# Altium PCB MB V7.PcbDoc (part 2 of 3)
Units mm, origin at the board's own origin, x right, y up, seen from the top; angles counter-clockwise.
Board outline 165.04 x 191.67 mm, 4 copper layers (Top Layer, MID TOP, MID BOTTOM, Bottom Layer), stack 0.603 mm thick; 236 components, 223 nets, 910 pads, 243 vias.
Unrouted connection lines stored in the file: 157.
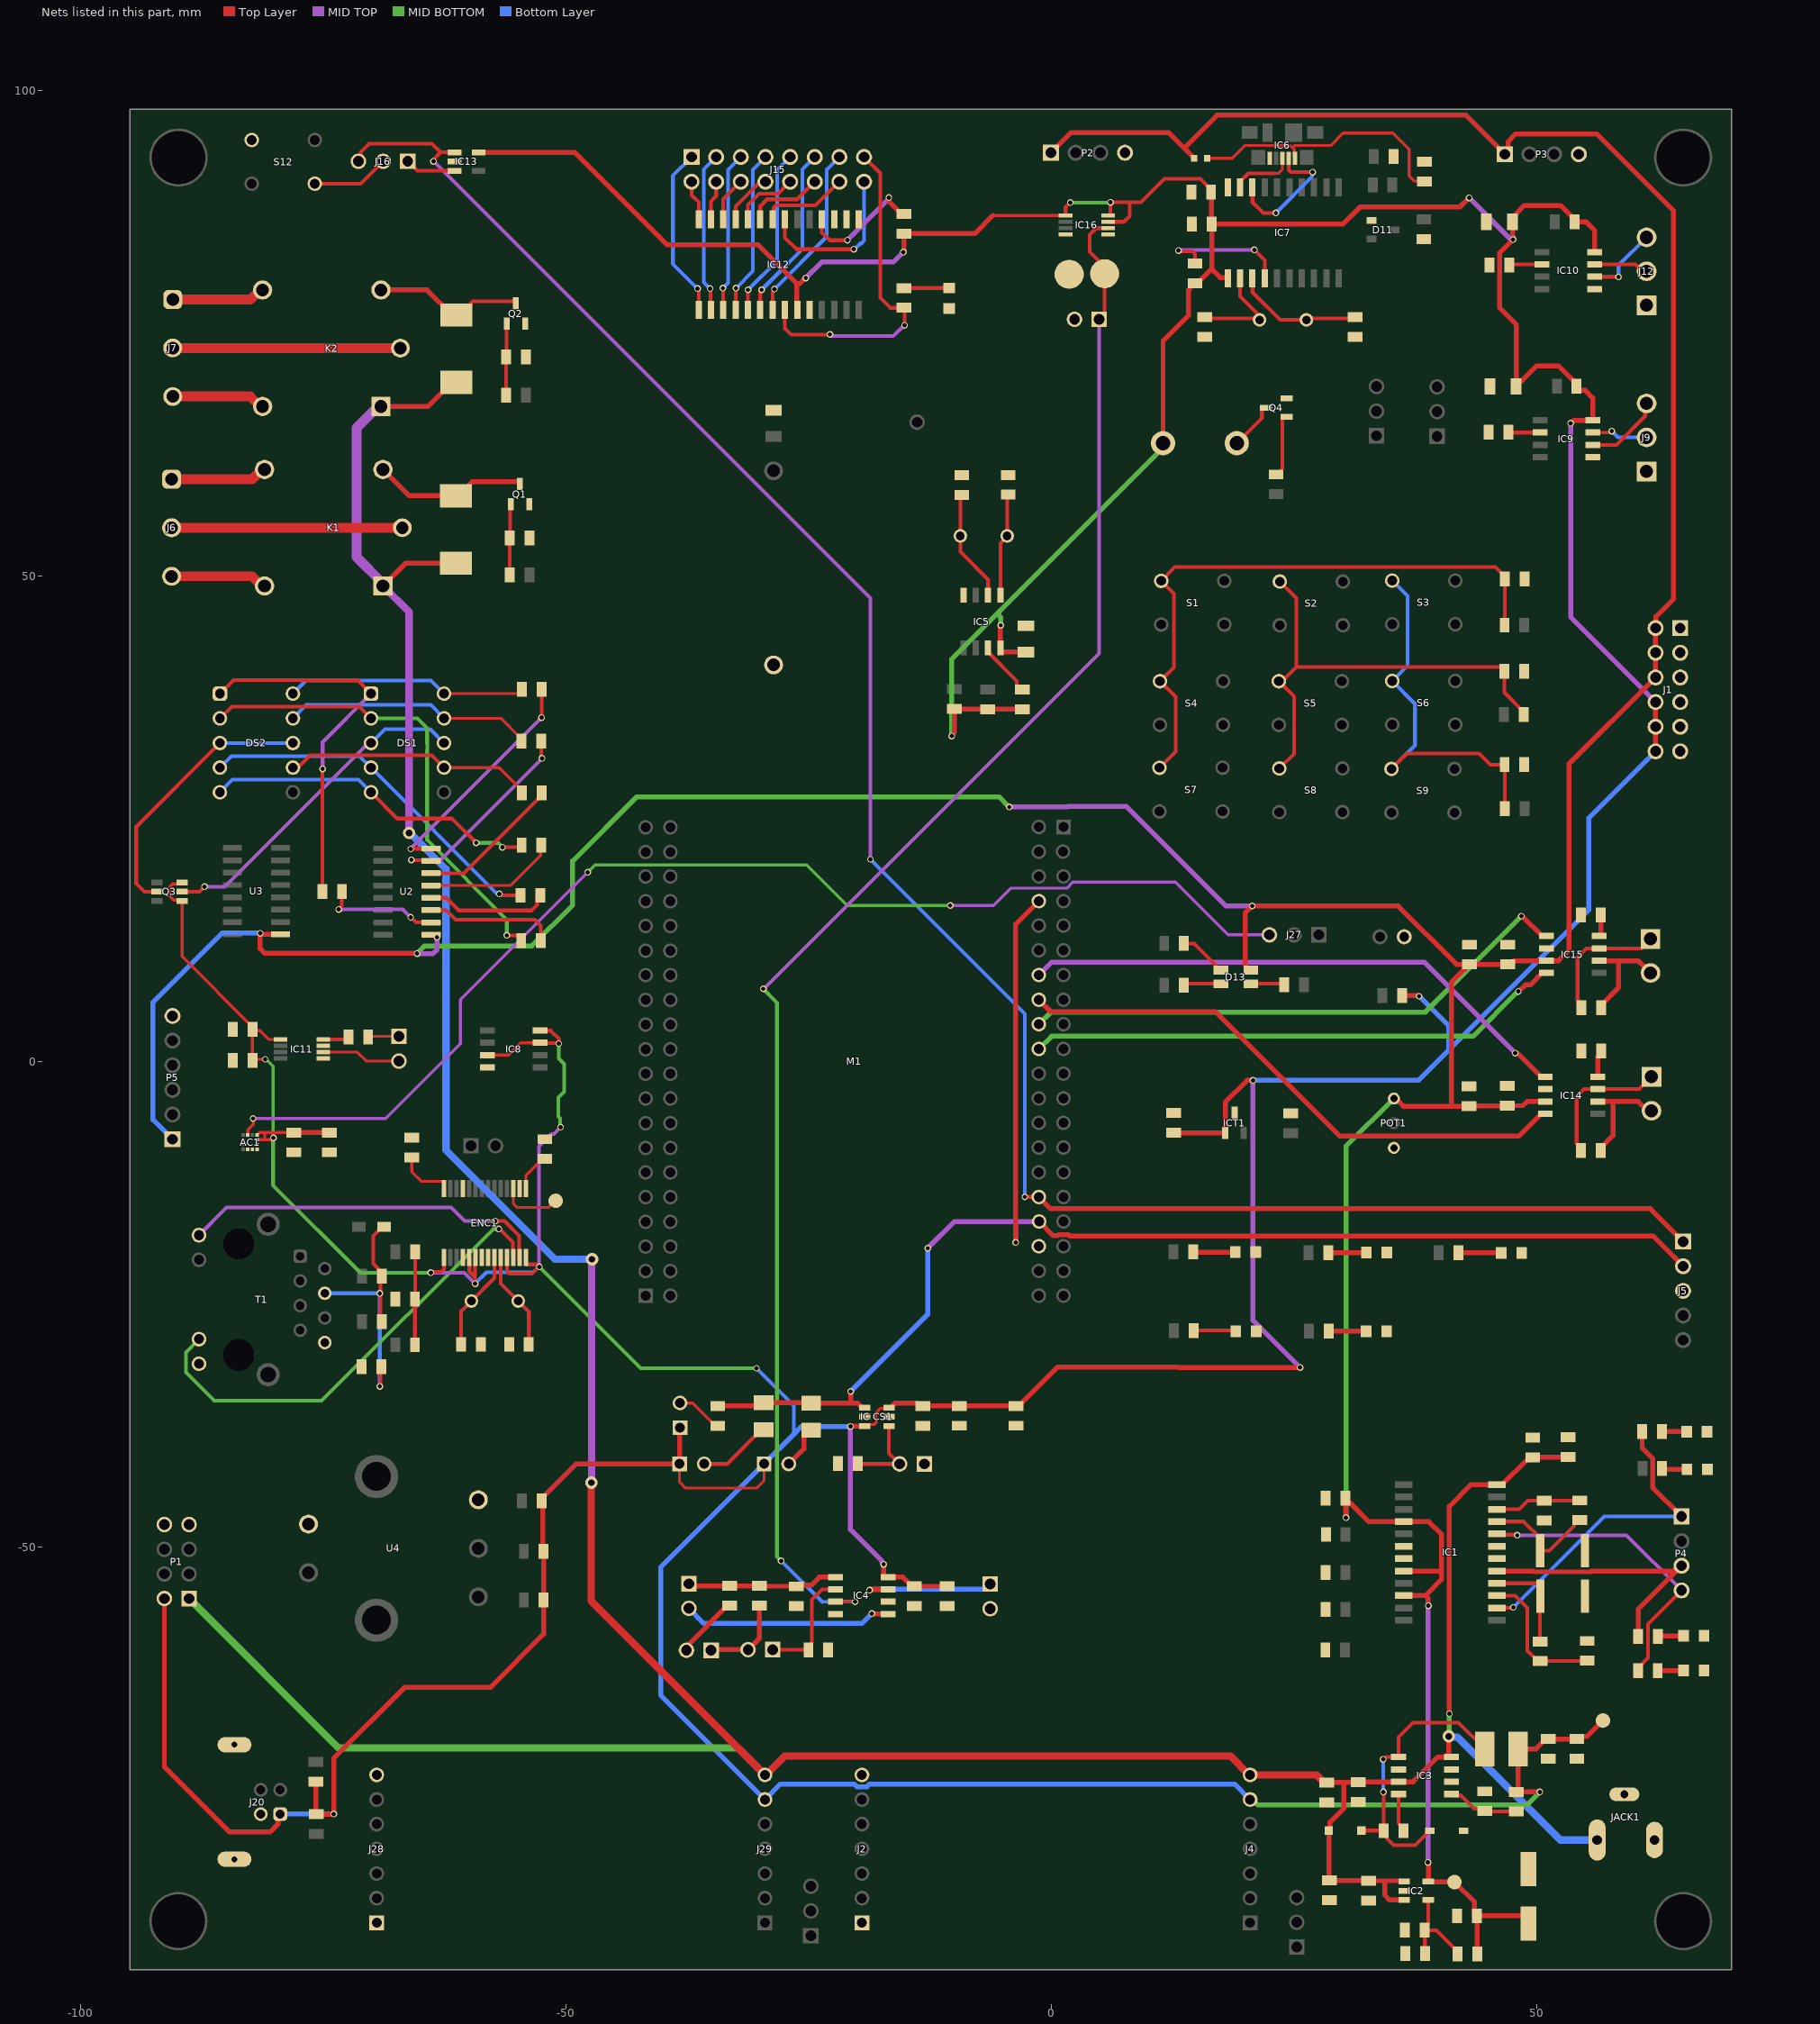
[diagram p4: the nets of this part, all layers, seen from the top]

## Part data (continued)
R13 R14 R15: library part ERJ-6ENF2200V, "RES SMD 220 OHM 1% 1/8W 0805", Digi-Key Part Number=P220CCT-ND, Manufacturer="Panasonic Electronic Components", Operating Temperature="-55°C ~ 155°C", Package / Case="0805 (2012 Metric)", Power (Watts)="0.125W, 1/8W", Supplier Device Package=0805, Temperature Coefficient=±100ppm/°C, Tolerance=±1%, @ qty=1500, Composition="Thick Film", Datasheets=http://industrial.panasonic.com/www-cgi/jvcr13pz.cgi?E+PZ+3+AOA0002+ERJ6ENF2200V+7+WW, Factory Stock=0, Failure Rate=-, Features="Automotive AEC-Q200", Height - Seated (Max)="0.028\" (0.70mm)", Image=//media.digikey.com/Renders/Panasonic%20Renders/ERJ-0805%20Pkg.jpg, Minimum Quantity=1, Number of Terminations=2, Packaging="Cut Tape (CT)", Part Number=ERJ-6ENF2200V, Part Status=Active, Quantity Available=111570, Series=ERJ, Size / Dimension="0.079\" L x 0.049\" W (2.00mm x 1.25mm)", Unit Price (USD)=0.00729
R19 R21: library part ERJ-6ENF3011V, "RES SMD 3.01K OHM 1% 1/8W 0805", Digi-Key Part Number=P3.01KCCT-ND, Manufacturer="Panasonic Electronic Components", Operating Temperature="-55°C ~ 155°C", Package / Case="0805 (2012 Metric)", Power (Watts)="0.125W, 1/8W", Supplier Device Package=0805, Temperature Coefficient=±100ppm/°C, Tolerance=±1%, @ qty=1500, Composition="Thick Film", Datasheets=http://industrial.panasonic.com/www-cgi/jvcr13pz.cgi?E+PZ+3+AOA0002+ERJ6ENF3011V+7+WW, Factory Stock=0, Failure Rate=-, Features="Automotive AEC-Q200", Height - Seated (Max)="0.028\" (0.70mm)", Image=//media.digikey.com/Renders/Panasonic%20Renders/ERJ-0805%20Pkg.jpg, Minimum Quantity=1, Number of Terminations=2, Packaging="Cut Tape (CT)", Part Number=ERJ-6ENF3011V, Part Status=Active, Quantity Available=48603, Series=ERJ, Size / Dimension="0.079\" L x 0.049\" W (2.00mm x 1.25mm)", Unit Price (USD)=0.00729
R20: library part ERJ-P6WJ474V, "RES SMD 470K OHM 5% 1/2W 0805", Digi-Key Part Number=P16986CT-ND, Manufacturer="Panasonic Electronic Components", Operating Temperature="-55°C ~ 155°C", Package / Case="0805 (2012 Metric)", Power (Watts)="0.5W, 1/2W", Supplier Device Package=0805, Temperature Coefficient=±200ppm/°C, Tolerance=±5%, @ qty=1500, Composition="Thick Film", Datasheets=https://industrial.panasonic.com/cdbs/www-data/pdf/RDA0000/AOA0000C243.pdf, Factory Stock=0, Failure Rate=-, Features="Automotive AEC-Q200, Pulse Withstanding", Height - Seated (Max)="0.030\" (0.75mm)", Image=//media.digikey.com/Renders/Panasonic%20Renders/ERJ-0805%20Pkg.jpg, Minimum Quantity=1, Number of Terminations=2, Packaging="Cut Tape (CT)", Part Number=ERJ-P6WJ474V, Part Status=Active, Quantity Available=4950, Series=ERJ, Size / Dimension="0.079\" L x 0.049\" W (2.00mm x 1.25mm)", Unit Price (USD)=0.08237
R22: library part ERJ-P6WJ103V, "RES SMD 10K OHM 5% 1/2W 0805", Digi-Key Part Number=P16966CT-ND, Manufacturer="Panasonic Electronic Components", Operating Temperature="-55°C ~ 155°C", Package / Case="0805 (2012 Metric)", Power (Watts)="0.5W, 1/2W", Supplier Device Package=0805, Temperature Coefficient=±200ppm/°C, Tolerance=±5%, @ qty=1500, Composition="Thick Film", Datasheets=https://industrial.panasonic.com/cdbs/www-data/pdf/RDA0000/AOA0000C243.pdf, Factory Stock=0, Failure Rate=-, Features="Automotive AEC-Q200, Pulse Withstanding", Height - Seated (Max)="0.030\" (0.75mm)", Image=//media.digikey.com/Renders/Panasonic%20Renders/ERJ-0805%20Pkg.jpg, Minimum Quantity=1, Number of Terminations=2, Packaging="Cut Tape (CT)", Part Number=ERJ-P6WJ103V, Part Status=Active, Quantity Available=2796, Series=ERJ, Size / Dimension="0.079\" L x 0.049\" W (2.00mm x 1.25mm)", Unit Price (USD)=0.08237
R44 R45 R47 R48: library part ERJ-6ENF49R9V, "RES SMD 49.9 OHM 1% 1/8W 0805", Digi-Key Part Number=P49.9CCT-ND, Manufacturer="Panasonic Electronic Components", Operating Temperature="-55°C ~ 155°C", Package / Case="0805 (2012 Metric)", Power (Watts)="0.125W, 1/8W", Supplier Device Package=0805, Temperature Coefficient=±100ppm/°C, Tolerance=±1%, @ qty=1500, Composition="Thick Film", Datasheets=http://industrial.panasonic.com/www-cgi/jvcr13pz.cgi?E+PZ+3+AOA0002+ERJ6ENF49R9V+7+WW, Factory Stock=0, Failure Rate=-, Features="Automotive AEC-Q200", Height - Seated (Max)="0.028\" (0.70mm)", Image=//media.digikey.com/Renders/Panasonic%20Renders/ERJ-0805%20Pkg.jpg, Minimum Quantity=1, Number of Terminations=2, Packaging="Cut Tape (CT)", Part Number=ERJ-6ENF49R9V, Part Status=Active, Quantity Available=574999, Series=ERJ, Size / Dimension="0.079\" L x 0.049\" W (2.00mm x 1.25mm)", Unit Price (USD)=0.00729
R46: library part ERJ-6ENF2321V, "RES SMD 2.32K OHM 1% 1/8W 0805", Digi-Key Part Number=P2.32KCCT-ND, Manufacturer="Panasonic Electronic Components", Operating Temperature="-55°C ~ 155°C", Package / Case="0805 (2012 Metric)", Power (Watts)="0.125W, 1/8W", Supplier Device Package=0805, Temperature Coefficient=±100ppm/°C, Tolerance=±1%, @ qty=1500, Composition="Thick Film", Datasheets=http://industrial.panasonic.com/www-cgi/jvcr13pz.cgi?E+PZ+3+AOA0002+ERJ6ENF2321V+7+WW, Factory Stock=0, Failure Rate=-, Features="Automotive AEC-Q200", Height - Seated (Max)="0.028\" (0.70mm)", Image=//media.digikey.com/Renders/Panasonic%20Renders/ERJ-0805%20Pkg.jpg, Minimum Quantity=1, Number of Terminations=2, Packaging="Cut Tape (CT)", Part Number=ERJ-6ENF2321V, Part Status=Active, Quantity Available=67004, Series=ERJ, Size / Dimension="0.079\" L x 0.049\" W (2.00mm x 1.25mm)", Unit Price (USD)=0.00729
R61: library part ERJ-P6WJ105V, "RES SMD 1M OHM 5% 1/2W 0805", Digi-Key Part Number=P16990CT-ND, Manufacturer="Panasonic Electronic Components", Operating Temperature="-55°C ~ 155°C", Package / Case="0805 (2012 Metric)", Power (Watts)="0.5W, 1/2W", Supplier Device Package=0805, Temperature Coefficient=±200ppm/°C, Tolerance=±5%, @ qty=1500, Composition="Thick Film", Datasheets=https://industrial.panasonic.com/cdbs/www-data/pdf/RDA0000/AOA0000C243.pdf, Factory Stock=0, Failure Rate=-, Features="Automotive AEC-Q200, Pulse Withstanding", Height - Seated (Max)="0.030\" (0.75mm)", Image=//media.digikey.com/Renders/Panasonic%20Renders/ERJ-0805%20Pkg.jpg, Minimum Quantity=1, Number of Terminations=2, Packaging="Cut Tape (CT)", Part Number=ERJ-P6WJ105V, Part Status=Active, Quantity Available=3210, Series=ERJ, Size / Dimension="0.079\" L x 0.049\" W (2.00mm x 1.25mm)", Unit Price (USD)=0.08237
R62 R64: library part ERJ-8BQFR22V, "RES SMD 0.22 OHM 1% 1/2W 1206", Digi-Key Part Number=P17624CT-ND, Manufacturer="Panasonic Electronic Components", Operating Temperature="-55°C ~ 125°C", Package / Case="1206 (3216 Metric)", Power (Watts)="0.5W, 1/2W", Supplier Device Package=1206, Temperature Coefficient=±250ppm/°C, Tolerance=±1%, @ qty=1500, Composition="Thick Film", Datasheets=https://industrial.panasonic.com/cdbs/www-data/pdf/RDA0000/AOA0000C239.pdf, Factory Stock=0, Failure Rate=-, Features="Automotive AEC-Q200, Current Sense", Height - Seated (Max)="0.028\" (0.70mm)", Image=//media.digikey.com/Renders/Panasonic%20Renders/ERJ-1206%20Pkg.jpg, Minimum Quantity=1, Number of Terminations=2, Packaging="Cut Tape (CT)", Part Number=ERJ-8BQFR22V, Part Status=Active, Quantity Available=11511, Series=ERJ, Size / Dimension="0.126\" L x 0.063\" W (3.20mm x 1.60mm)", Unit Price (USD)=0.05778
R63: library part ERJ-S6SJR10V, "RES SMD 0.1 OHM 5% 1/4W 0805", Digi-Key Part Number=P.1BKCT-ND, Manufacturer="Panasonic Electronic Components", Operating Temperature="-55°C ~ 155°C", Package / Case="0805 (2012 Metric)", Power (Watts)="0.25W, 1/4W", Supplier Device Package=0805, Temperature Coefficient=±150ppm/°C, Tolerance=±5%, @ qty=1500, Composition="Thick Film", Datasheets=https://industrial.panasonic.com/cdbs/www-data/pdf/RDA0000/AOA0000CE5.pdf, Factory Stock=0, Failure Rate=-, Features="Anti-Sulfur, Automotive AEC-Q200", Height - Seated (Max)="0.026\" (0.65mm)", Image=//media.digikey.com/Renders/Panasonic%20Renders/ERJ-0805%20Pkg.jpg, Minimum Quantity=1, Number of Terminations=2, Packaging="Cut Tape (CT)", Part Number=ERJ-S6SJR10V, Part Status=Active, Quantity Available=10102, Series=ERJ, Size / Dimension="0.079\" L x 0.049\" W (2.00mm x 1.25mm)", Unit Price (USD)=0.07603
R65: library part ERJ-6ENF4751V, "RES SMD 4.75K OHM 1% 1/8W 0805", Digi-Key Part Number=P4.75KCCT-ND, Manufacturer="Panasonic Electronic Components", Operating Temperature="-55°C ~ 155°C", Package / Case="0805 (2012 Metric)", Power (Watts)="0.125W, 1/8W", Supplier Device Package=0805, Temperature Coefficient=±100ppm/°C, Tolerance=±1%, @ qty=1500, Composition="Thick Film", Datasheets=http://industrial.panasonic.com/www-cgi/jvcr13pz.cgi?E+PZ+3+AOA0002+ERJ6ENF4751V+7+WW, Factory Stock=0, Failure Rate=-, Features="Automotive AEC-Q200", Height - Seated (Max)="0.028\" (0.70mm)", Image=//media.digikey.com/Renders/Panasonic%20Renders/ERJ-0805%20Pkg.jpg, Minimum Quantity=1, Number of Terminations=2, Packaging="Cut Tape (CT)", Part Number=ERJ-6ENF4751V, Part Status=Active, Quantity Available=354774, Series=ERJ, Size / Dimension="0.079\" L x 0.049\" W (2.00mm x 1.25mm)", Unit Price (USD)=0.00729
R66 R67: library part ERJ-P06D2001V, "RES SMD 2K OHM 0.5% 1/2W 0805", Digi-Key Part Number=P16044CT-ND, Manufacturer="Panasonic Electronic Components", Operating Temperature="-55°C ~ 155°C", Package / Case="0805 (2012 Metric)", Power (Watts)="0.5W, 1/2W", Supplier Device Package=0805, Temperature Coefficient=±100ppm/°C, Tolerance=±0.5%, @ qty=1500, Composition="Thick Film", Datasheets=https://industrial.panasonic.com/cdbs/www-data/pdf/RDA0000/AOA0000C243.pdf, Factory Stock=0, Failure Rate=-, Features="Automotive AEC-Q200, Pulse Withstanding", Height - Seated (Max)="0.028\" (0.70mm)", Image=//media.digikey.com/Renders/Panasonic%20Renders/ERJ-0805%20Pkg.jpg, Minimum Quantity=1, Number of Terminations=2, Packaging="Cut Tape (CT)", Part Number=ERJ-P06D2001V, Part Status=Active, Quantity Available=25431, Series=ERJ, Size / Dimension="0.079\" L x 0.049\" W (2.00mm x 1.25mm)", Unit Price (USD)=0.04514
S1 S2 S3 S4 S5 S6 S7 S8 S9 S12: "WS-TATV THT Tact Switch 6x6mm, height 4.3mm, 260gf", Operating Temperature="-40 to +85degC", Rated Current=50mA, Rated Voltage=12VDC, ComponentLink1Description=Manufacturer, ComponentLink1URL=http://www.we-online.de, ComponentLink2Description=Datasheet, ComponentLink2URL=https://katalog.we-online.com/em/datasheet/430156043726.pdf, Contact Material="Stainless Steel", Contact Plating=Silver, Height=4.3mm, Mounting Technology=THT, Operation Force=260gf, Packaging=Bulk, Part Number=430156043726, Published Date="September 2019", Publisher="Wurth Elektronik", Terminal Material="Copper Alloy", Terminal Plating=Silver, Washable=No
T1: library part 74990111211, "WE-RJ45 LAN Transformer, THT, 1 Port, 10/100 Base-T, Tab Down", Manufacturer="Wurth Elektronik", Operating Temperature Max=85°C, Operating Temperature Min=-40°C, Category="Filtered Connectors", ComponentLink1Description="Website Link", ComponentLink1URL=https://www.we-online.com/redexpert/article/74990111211?ad, ComponentLink2Description="Datasheet Link", ComponentLink2URL=https://www.we-online.com/redexpert/spec/74990111211?ad, ComponentLink3Description="Digikey Link", ComponentLink3URL=https://www.digikey.in/en/products/detail/abracon-llc/ARJM11D7-009-AB-EW2/7675229, Data Rate="10/100 Base-T", Height=13.95mm, LED=yellow-green, Length=21.84mm, Manufacturer Part Number=74990111211, Match Code="WE-RJ45 LAN", Mount="Through Hole", Number of Ports=1, Packaging=Tube, PoE=non-PoE, Shield Tabs=Yes, Tab=Down, USB="No USB", Width=15.88mm
TP1 TP2 TP3: library part pad2, "Top Testpoint Pad"
U2 U3: "50-V, 7-ch darlington transistor array, -20C to 70C", Package="SOIC-16 Texas Instruments", Availability="In Stock", Check_prices=https://www.snapeda.com/parts/ULN2003ADR/Texas+Instruments/view-part/?ref=eda, MF="Texas Instruments", MP=ULN2003ADR, Price=None, Purchase-URL=https://pricing.snapeda.com/search/part/ULN2003ADR/?ref=eda, SnapEDA_Link=https://www.snapeda.com/parts/ULN2003ADR/Texas+Instruments/view-part/?ref=snap
U4: "Undefined or Miscellaneous", Manufacturer_Name=Bourns, Mouser Part Number=652-PEC16-4220FS0024, Arrow Part Number=PEC16-4220F-S0024, Arrow Price/Stock=https://www.arrow.com/en/products/pec16-4220f-s0024/bourns, Datasheet Link=https://www.bourns.com/pdfs/PEC16.pdf, Height=28mm, Manufacturer_Part_Number=PEC16-4220F-S0024, Mouser Price/Stock=https://www.mouser.co.uk/ProductDetail/Bourns/PEC16-4220F-S0024?qs=6FD5PBp7ZtQte%252Bg7b%2FiMUw%3D%3D
U5: library part NSL-19M51, "Undefined or Miscellaneous", Manufacturer_Name=Silonex, Datasheet Link=http://uk.rs-online.com/web/p/products/9146710, Manufacturer_Part_Number=NSL-19M51
Z1: "Zener Diode", Manufacturer_Name=STMicroelectronics, Mouser Part Number=511-BAT46ZFILM, Arrow Part Number=BAT46ZFILM, Arrow Price/Stock=https://www.arrow.com/en/products/bat46zfilm/stmicroelectronics?region=nac, Datasheet Link=https://datasheet.datasheetarchive.com/originals/distributors/SFDatasheet-5/sf-000113323.pdf, Manufacturer_Part_Number=BAT46ZFILM, Mouser Price/Stock=https://www.mouser.co.uk/ProductDetail/STMicroelectronics/BAT46ZFILM?qs=jZi1jxfVU96IWb4%2FLHMEiw%3D%3D

## Free pads (board coordinates)
  round 6 hole 5.5: 5(-89.932,-88.574) 5(-89.92,93.095) 5(65.117,-88.574) 5(65.117,93.095)

## Via types
v1: diameter 0.686, hole 0.457, Top Layer to Bottom Layer, 239 vias
v2: diameter 1.27, hole 0.686, Top Layer to Bottom Layer, 4 vias

## Nets (pads, with @x,y where several pads share a name; then routed paths per layer and width w, separated by ;. In a path a pad name is that pad's centre, name@x,y a point inside that pad or via, vN(x,y) a via of type N, cw(c..) or ccw(c..) an arc to the next point about the centre after c; other vN are vias at no path point)
3.3V: 22.1 "IC CS1.3" "IC CS1.6" AC1.9 AC1.10 C8.1 C9.1 C18.1 C24.1 C25.1 C27.2 C28.2 C29.2 C30.1 C41.1 C42.1 C43.1 C44.1 C45.2 C47.1 C48.1 Ct1.1 ENC1.15 ENC1.19 ENC1.20 ENC1.25 ENC1.28 IC4.8 IC5.8 IC7.1 IC8.3 IC8.7 IC8.8 IC9.8 IC10.8 IC11.1 IC12.9 IC13.5 IC16.1 IC16.7 IC16.8 ICT1.1 J1.8 J1.10 J1.12 J4.6 J20.1 J22.1 J23.1 J29.6 JC1.1 L1.2 P1.2 Q3.4 Q3.6 R19.2 R34.2 R35.1 R36.1 R38.1 R40.1 R42.1 R49.2 R55.2 R56.2 R57.2 R58.1 R59.2 R60.2 TP2.1 | length 931.6
  Top Layer w0.305: Q3.6@-89.556,18.425 -89.703,18.278 -90.523,18.278 -90.789,18.011 -90.789,16.964 -90.437,16.612 -89.642,16.612 Q3.4@-89.556,16.525 -89.556,10.79 -82.296,3.531 C29.2@-82.296,3.277 ; C30.1@-82.296,0.076 C29.2@-82.296,3.277 ; C30.1@-82.169,0.203 v1(-80.988,0.203) ; AC1.9@-81.838,-8.081 -81.123,-8.081 ; AC1.10@-81.838,-7.581 -81.826,-7.581 -81.585,-7.341 -81.039,-7.341 ; v1@-80.408,-8.081 -81.123,-8.081 ; IC11.1@-79.391,2.245 -80.591,2.245 -81.509,3.163 -82.183,3.163 C29.2@-82.296,3.277 ; C41.1@-78.029,-7.341 -81.039,-7.341 ; IC8.3@-58.083,0.635 -55.921,0.635 -54.651,1.905 IC8.7@-52.661,1.905 ; J22.1@-38.29,-41.478 -38.29,-43.358 -37.681,-43.967 -30.366,-43.967 -29.578,-43.18 JC1.1@-29.578,-41.478 ; -19.236,-37.597 -19.068,-37.429 -18.29,-37.429 -18.021,-37.16 -18.021,-36.201 -17.562,-35.742 -16.78,-35.742 -16.715,-35.677 ; -5.987,87.142 IC16.1@1.354,87.142 ; -81.123,-8.081 -81.039,-7.997 -81.039,-7.341
  Top Layer w0.381: v1(-63.919,-21.768) -63.861,-21.709 -62.887,-21.709 -62.575,-21.397 ENC1.15@-62.575,-20.206 ; ENC1.19@-59.975,-20.206 -59.94,-20.241 -59.94,-21.67 -59.347,-22.263 ; v1(-59.347,-22.911) -59.347,-22.263 ; ENC1.20@-59.347,-20.228 -59.347,-22.263 ; ENC1.25@-56.069,-20.212 -56.069,-21.617 -55.816,-21.869 -53.505,-21.869 -52.809,-21.173 v1(-52.728,-21.173) ; ENC1.28@-54.119,-20.212 -54.119,-20.887 -54.084,-20.922 -53.062,-20.922 -52.851,-21.133 v1@-52.768,-21.133 ; IC8.7@-52.661,1.905 -52.623,1.867 -50.775,1.867 v1(-50.736,1.829) -50.748,1.84 -50.748,2.348 -51.55,3.151 -52.637,3.151 IC8.8@-52.661,3.175 ; IC16.1@1.483,87.132 1.483,87.983 v1(1.969,88.468) ; IC16.7@5.883,86.482 7.513,86.482 8.103,87.071 8.103,88.494 ; IC16.8@5.883,87.132 6.074,87.132 6.109,87.166 v1(6.109,88.494) 8.103,88.494 ; C25.1@16.472,89.56 16.472,89.814 15.38,90.907 11.671,90.907 9.258,88.494 8.103,88.494
  Top Layer w0.508: P1.2@-91.376,-55.347 -91.376,-72.695 -84.671,-79.4 -80.467,-79.4 -79.664,-78.597 -79.664,-77.779 J20.1@-79.436,-77.552 ; C41.1@-78.029,-7.341 C42.1@-74.371,-7.341 ; R59.2@-75.755,-74.193 -75.755,-77.546 R58.1@-75.73,-77.572 -75.717,-77.559 -73.939,-77.559 v1(-73.927,-77.546) -73.927,-71.806 -66.624,-64.503 -57.785,-64.503 -52.299,-59.017 R55.2@-52.299,-55.474 R57.2@-52.299,-50.47 -52.4,-50.368 -52.4,-45.39 R56.2@-52.502,-45.288 -52.502,-45.034 -48.946,-41.478 J22.1@-38.29,-41.478 -38.265,-41.453 -38.265,-37.77 J23.1@-38.24,-37.744 ; IC13.5@-58.973,93.635 -49.096,93.635 -39.586,84.125 -30.213,84.125 -26.233,80.145 ; IC12.9@-26.162,77.392 -26.233,77.463 -26.233,80.145 ; v1(-25.286,80.696) -25.334,80.696 -25.885,80.145 -26.233,80.145 ; v1(-20.688,-37.617) -20.668,-37.597 -19.236,-37.597 ; v1(-17.259,-51.816) -17.259,-53.066 -17.188,-53.137 IC4.8@-16.809,-53.137 -15.283,-53.137 -14.618,-53.802 -14.618,-53.823 -14.364,-54.077 C47.1@-14.11,-54.077 C48.1@-10.706,-54.077 ; -16.715,-35.677 -16.44,-35.677 -16.394,-35.631 -16.394,-35.527 -16.097,-35.23 -13.749,-35.23 -13.469,-35.509 C45.2@-13.215,-35.509 -13.213,-35.506 -9.474,-35.506 C44.1@-9.472,-35.504 C43.1@-3.604,-35.504 -3.35,-35.504 0.658,-31.496 13.1,-31.496 13.151,-31.547 v1(25.641,-31.547) ; v1(-15.227,83.363) -15.189,83.401 R49.2@-15.189,85.268 -7.861,85.268 -5.987,87.142 ; v1(-10.249,33.503) -10.249,33.604 -9.957,33.896 R35.1@-9.957,36.297 -9.944,36.284 -6.54,36.284 R36.1@-6.528,36.271 -6.515,36.258 -2.984,36.258 R34.2@-2.972,36.246 ; v1(-5.194,44.907) -5.226,44.876 IC5.8@-5.226,42.577 -5.226,42.231 -5.155,42.16 C18.1@-2.591,42.16 ; 22.1@11.529,63.678 11.529,74.219 14.161,76.851 14.161,79.477 14.313,79.629 14.313,79.883 14.567,80.137 15.075,80.137 16.548,81.61 ; Ct1.1@12.611,-7.366 12.628,-7.383 17.918,-7.383 ICT1.1@17.935,-7.4 17.935,-4.214 20.193,-1.956 v1(20.79,-1.956) ; C25.1@16.472,89.56 16.51,89.522 16.51,86.271 C24.1@16.548,86.233 ; IC7.1@18.199,80.669 18.199,80.678 18.128,80.749 17.41,80.749 16.548,81.61 ; R60.2@36.157,6.756 37.859,6.756 v1(37.91,6.706) ; v1(43.066,88.951) 42.126,88.011 31.839,88.011 30.061,86.233 C24.1@16.548,86.233 ; C27.2@47.921,69.52 C27.2@47.921,69.82 ; v1(50.356,-75.26) R19.2@47.943,-75.26 48.093,-75.11 L1.2@48.093,-70.841 49.949,-70.841 50.965,-69.825 C8.1@51.219,-69.825 C9.1@54.166,-69.825 54.42,-69.571 55.207,-69.571 TP2.1@56.858,-67.92 ; v1(53.531,65.735) 53.579,65.735 53.884,66.04 IC9.8@55.81,66.04 55.81,68.333 55.035,69.108 54.394,69.108 54.14,69.362 R40.1@54.14,69.545 54.14,69.799 52.286,71.653 50.055,71.653 48.517,70.116 48.217,70.116 C27.2@47.921,69.82 ; IC10.8@56.013,83.363 56.013,85.579 55.131,86.462 R42.1@53.937,86.462 53.937,86.716 52.489,88.163 48.755,88.163 47.836,87.244 47.836,86.783 C28.2@47.54,86.487 47.563,86.463 47.563,84.682 v1(47.587,84.658) 46.203,83.274 46.203,77.643 47.921,75.925 C27.2@47.921,69.82 ; J1.12@62.281,31.928 J1.10@62.281,34.468 J1.8@62.281,37.008 ; 16.548,81.61 C24.1@16.548,86.233
  MID TOP w0.381: v1(-63.919,-21.768) -60.49,-21.768 v1(-59.347,-22.911) ; v1(-52.728,-21.173) -52.768,-21.133 -52.768,-8.738 -51.556,-7.525 -51.467,-7.525 -51.419,-7.478 -51.235,-7.478 v1(-50.546,-6.788)
  MID TOP w0.508: v1(-25.286,80.696) -23.609,82.372 -16.218,82.372 v1(-15.227,83.363) ; v1(-20.688,-37.617) -20.688,-48.235 -17.437,-51.486 -17.437,-51.59 -17.259,-51.768 v1(-17.259,-51.816) ; v1(20.79,-1.956) 20.79,-26.695 v1(25.641,-31.547) ; v1(43.066,88.951) 47.324,84.692 47.553,84.692 v1(47.587,84.658) ; v1(53.531,65.735) 53.531,45.759 J1.8@62.281,37.008
  MID BOTTOM w0.305: v1(-80.988,0.203) -80.886,0.203 -80.175,-0.508 -80.175,-7.849 v1(-80.137,-7.887)
  MID BOTTOM w0.381: v1(-80.137,-7.887) -80.175,-7.925 -80.175,-12.764 -71.171,-21.768 v1(-63.919,-21.768) ; v1(-52.728,-21.173) -42.278,-31.623 v1(-30.366,-31.623) ; v1(-50.736,1.829) -50.736,0.28 -50.178,-0.279 -50.178,-3.144 -50.787,-3.754 -50.787,-5.683 -50.597,-5.874 -50.597,-6.738 v1(-50.546,-6.788) ; v1(1.969,88.468) 6.083,88.468 v1(6.109,88.494)
  MID BOTTOM w0.508: v1(-10.249,33.503) -10.249,41.435 -5.401,46.282 ; v1(-5.194,44.907) -5.194,45.726 -5.401,45.932 -5.401,46.282 ; 22.1@11.529,63.678 11.529,63.212 -5.401,46.282 ; J4.6@20.506,-76.048 20.75,-76.048 21.309,-76.606 49.009,-76.606 v1(50.356,-75.26)
  Bottom Layer w0.381: v1(-59.347,-22.911) -58.179,-21.742 -53.378,-21.742 -52.809,-21.173 v1(-52.728,-21.173) ; v1(-30.366,-31.623) -26.518,-35.471 -26.518,-38.417
  Bottom Layer w0.508: J20.1@-79.436,-77.552 -74.389,-77.552 -74.384,-77.546 v1(-73.927,-77.546) ; v1(-20.688,-37.617) -25.717,-37.617 -26.518,-38.417 JC1.1@-29.578,-41.478 -40.246,-52.146 -40.246,-65.296 J29.6@-29.494,-76.048 -27.894,-74.447 -20.276,-74.447 -19.999,-74.725 -18.99,-74.725 -18.713,-74.447 18.905,-74.447 J4.6@20.506,-76.048 ; v1(20.79,-1.956) 37.846,-1.956 40.983,1.181 ; v1(37.91,6.706) 40.983,3.632 40.983,1.181 ; J1.12@62.281,31.928 55.412,25.058 55.412,15.61 40.983,1.181
3V3_MCU: "IC CS1.4" J5.2 M1.44 M1.57 R62.2 R63.2 R64.2 | length 154.1
  Top Layer w0.508: R63.2@-34.353,-35.509 -29.959,-35.509 R62.2@-29.629,-35.179 -24.752,-35.179 R64.2@-24.727,-35.204 -20.688,-35.204 ; v1(-20.663,-34.011) -20.663,-35.179 -20.688,-35.204 ; -19.215,-35.677 -19.49,-35.677 -19.963,-35.204 -20.688,-35.204 ; v1(-3.658,-18.669) -3.658,14.122 M1.44@-1.27,16.51 ; M1.57@-1.245,-16.51 0.219,-17.973 0.64,-17.973 0.77,-17.843 1.77,-17.843 1.91,-17.983 61.987,-17.983 J5.2@65.112,-21.107
  MID TOP w0.508: v1(-12.713,-19.253) -9.969,-16.51 -3.81,-16.51 ; v1(-3.658,-18.669) -3.658,-16.662 -3.81,-16.51 ; M1.57@-1.245,-16.51 -3.81,-16.51
  Bottom Layer w0.508: v1(-20.663,-34.011) -12.713,-26.06 v1(-12.713,-19.253)
5V: C4.1 C11.2 C13.1 C37.1 C38.1 C39.1 C40.1 D13.1 FB1.1 IC1.4 IC1.8 IC1.10 IC2.5 IC14.3 IC15.3 J1.2 J1.4 J1.6 P2.1 P3.1 P5.1 POT1.3 R20.1 TP3.1 U2.9 U3.9 | length 501.8
  Top Layer w0.508: U3.9@-79.415,13.081 -81.346,13.081 -81.448,13.183 v1(-81.496,13.183) -81.496,11.608 -81.013,11.125 -65.367,11.125 v1(-65.341,11.1) ; U2.9@-63.895,13.03 U2.9@-63.284,13.03 ; v1(-63.284,12.776) -63.284,12.984 -63.238,13.03 U2.9@-63.21,13.03 ; P2.1@-0.013,93.598 2.072,95.682 12.099,95.682 13.701,94.079 ; FB1.1@14.741,93.015 14.741,93.04 13.701,94.079 ; D13.1@20.587,9.387 20.287,9.387 20.091,9.583 20.091,9.766 19.977,9.88 19.977,15.265 v1(20.714,16.002) 35.751,16.002 41.77,9.982 C39.1@47.028,9.982 47.282,9.982 47.663,10.363 52.286,10.363 53.353,11.43 53.353,30.619 J1.6@62.281,39.548 J1.4@62.281,42.088 J1.2@62.281,44.628 62.317,44.664 62.317,45.82 64.122,47.625 64.122,87.605 56.198,95.529 47.866,95.529 47.072,94.735 47.072,93.768 P3.1@46.749,93.445 42.734,97.46 17.082,97.46 13.701,94.079 ; v1(30.386,-47.007) 30.352,-46.973 C4.1@30.352,-45.3 ; POT1.3@35.319,-3.835 35.517,-3.835 36.304,-4.623 41.237,-4.623 ; IC1.10@36.335,-55.042 38.57,-55.042 ; IC1.8@36.335,-52.502 40.196,-52.502 40.221,-52.527 ; v1(38.824,-82.525) 38.875,-82.576 IC2.5@38.875,-84.496 38.906,-84.526 41.537,-84.526 TP3.1@41.567,-84.557 43.625,-86.614 43.625,-87.782 C13.1@43.879,-88.036 48.641,-88.036 49.187,-88.582 C11.2@49.187,-88.824 ; v1(38.875,-56.083) 38.841,-56.049 38.841,-55.313 38.57,-55.042 ; C40.1@42.837,9.982 42.583,9.728 42.583,9.474 41.237,8.128 41.237,-4.623 ; C13.1@43.891,-88.303 43.891,-91.935 R20.1@43.904,-91.948 ; IC14.3@50.921,-4.14 49.05,-4.14 48.618,-4.572 C37.1@47.003,-4.572 46.977,-4.597 43.066,-4.597 C38.1@43.04,-4.623 41.237,-4.623 ; C4.1@30.352,-45.3 30.569,-45.517 30.823,-45.517 32.728,-47.422 IC1.4@36.335,-47.422 38.926,-47.422 40.221,-48.717 40.221,-52.527 ; C4.1@30.352,-45.3 30.315,-45.263 C4.1@30.315,-45.009 30.352,-45.046 C4.1@30.352,-45.3 ; 38.57,-55.042 40.221,-53.391 40.221,-52.527
  MID TOP w0.508: v1(-65.341,11.1) -63.678,11.1 -63.284,11.493 v1(-63.284,12.776) ; v1(-4.316,26.206) 1.732,26.206 1.768,26.242 7.768,26.242 18.009,16.002 v1(20.714,16.002) ; v1(38.824,-82.525) 38.824,-56.134 v1(38.875,-56.083)
  MID BOTTOM w0.508: v1(-65.341,11.1) -64.554,11.887 -53.505,11.887 -49.301,16.091 -49.301,20.637 -42.685,27.254 -5.364,27.254 v1(-4.316,26.206) ; v1(30.386,-47.007) 30.386,-8.768 POT1.3@35.319,-3.835
  Bottom Layer w0.508: P5.1@-90.537,-8.026 -92.545,-6.018 -92.545,6.089 -85.4,13.233 -81.547,13.233 v1(-81.496,13.183)
12V: C1.1 C2.1 C10.1 C12.1 C14.1 C15.1 D1.2 D2.2 D7.2 IC1.24 IC2.1 IC2.3 IC3.3 IC3.8 J4.7 J29.7 JACK1.A K1.A1 K2.A1 P1.1 | length 401.8
  Top Layer w0.508: K2.A1@-69.055,67.462 -64.209,67.462 -61.74,69.931 D2.2@-61.29,69.931 ; K1.A1@-68.853,48.966 -66.506,51.313 D1.2@-61.341,51.313 ; C14.1@28.41,-74.295 28.423,-74.282 30.137,-74.282 31.623,-74.282 C15.1@31.636,-74.27 31.661,-74.244 35.769,-74.244 IC3.3@35.794,-74.219 37.3,-74.219 39.84,-71.679 IC3.8@41.054,-71.679 ; 30.137,-74.346 30.137,-76.987 28.701,-78.423 28.701,-79.161 D7.2@28.615,-79.248 28.615,-84.344 C12.1@28.665,-84.394 28.677,-84.407 32.716,-84.407 C10.1@32.729,-84.419 34.364,-84.419 ; IC2.3@36.375,-86.396 34.881,-86.396 34.364,-85.878 34.364,-84.419 ; IC2.1@36.375,-84.496 36.075,-84.496 35.999,-84.419 34.364,-84.419 ; v2(40.983,-69.532) 40.983,-71.608 IC3.8@41.054,-71.679 ; v1(41.034,-67.208) 41.034,-45.847 43.269,-43.612 IC1.24@45.935,-43.612 46.485,-43.612 49.051,-41.046 49.365,-41.046 C1.1@49.619,-40.792 49.644,-40.767 53.226,-40.767 C2.1@53.251,-40.742 ; IC3.8@41.244,-71.679 IC3.8@41.054,-71.679
  Top Layer w0.762: v2@-47.384,-43.612 -47.384,-55.618 J29.7@-29.494,-73.508 -29.39,-73.508 -27.46,-71.577 18.471,-71.577 20.401,-73.508 J4.7@20.506,-73.508 27.369,-73.508 28.156,-74.295 C14.1@28.41,-74.295
  MID TOP w0.762: K1.A1@-68.853,48.966 -66.154,46.267 v2(-66.154,23.508) ; v2(-47.358,-43.409) -47.358,-20.447 v2(-47.307,-20.396)
  MID TOP w1.016: K2.A1@-69.055,67.462 -69.315,67.462 -69.797,66.98 -69.837,66.98 -71.564,65.253 -71.564,51.932 -68.853,49.22 K1.A1@-68.853,48.966
  MID BOTTOM w0.508: v2(40.983,-69.532) 41.008,-69.507 41.008,-67.234 v1(41.034,-67.208)
  MID BOTTOM w0.762: P1.1@-88.836,-55.347 -73.444,-70.739 -32.263,-70.739 J29.7@-29.494,-73.508
  Bottom Layer w0.762: v2@-66.23,23.673 -62.357,19.799 -62.357,-9.169 -51.13,-20.396 v2(-47.307,-20.396) ; v2(40.983,-69.532) 41.08,-69.63 41.855,-69.63 52.438,-80.213 JACK1.A@56.267,-80.213
"ACC INT": AC1.12 J27.3 | length 125.1
  Top Layer w0.305: AC1.12@-82.8,-7.581 -82.78,-7.561 -82.78,-7.051 -82.207,-6.479 -82.207,-5.918 v1(-82.232,-5.893)
  MID TOP w0.305: v1(-82.232,-5.893) -68.567,-5.893 -60.884,1.791 -60.884,6.337 -47.758,19.463 v1(-47.758,19.468) ; v1(-10.401,16.053) -5.944,16.053 -4.166,17.831 1.614,17.831 2.249,18.466 12.827,18.466 18.253,13.04 22.482,13.04 J27.3@22.492,13.03